# KiCad board AmigaPCI 68040.kicad_pcb (continued)
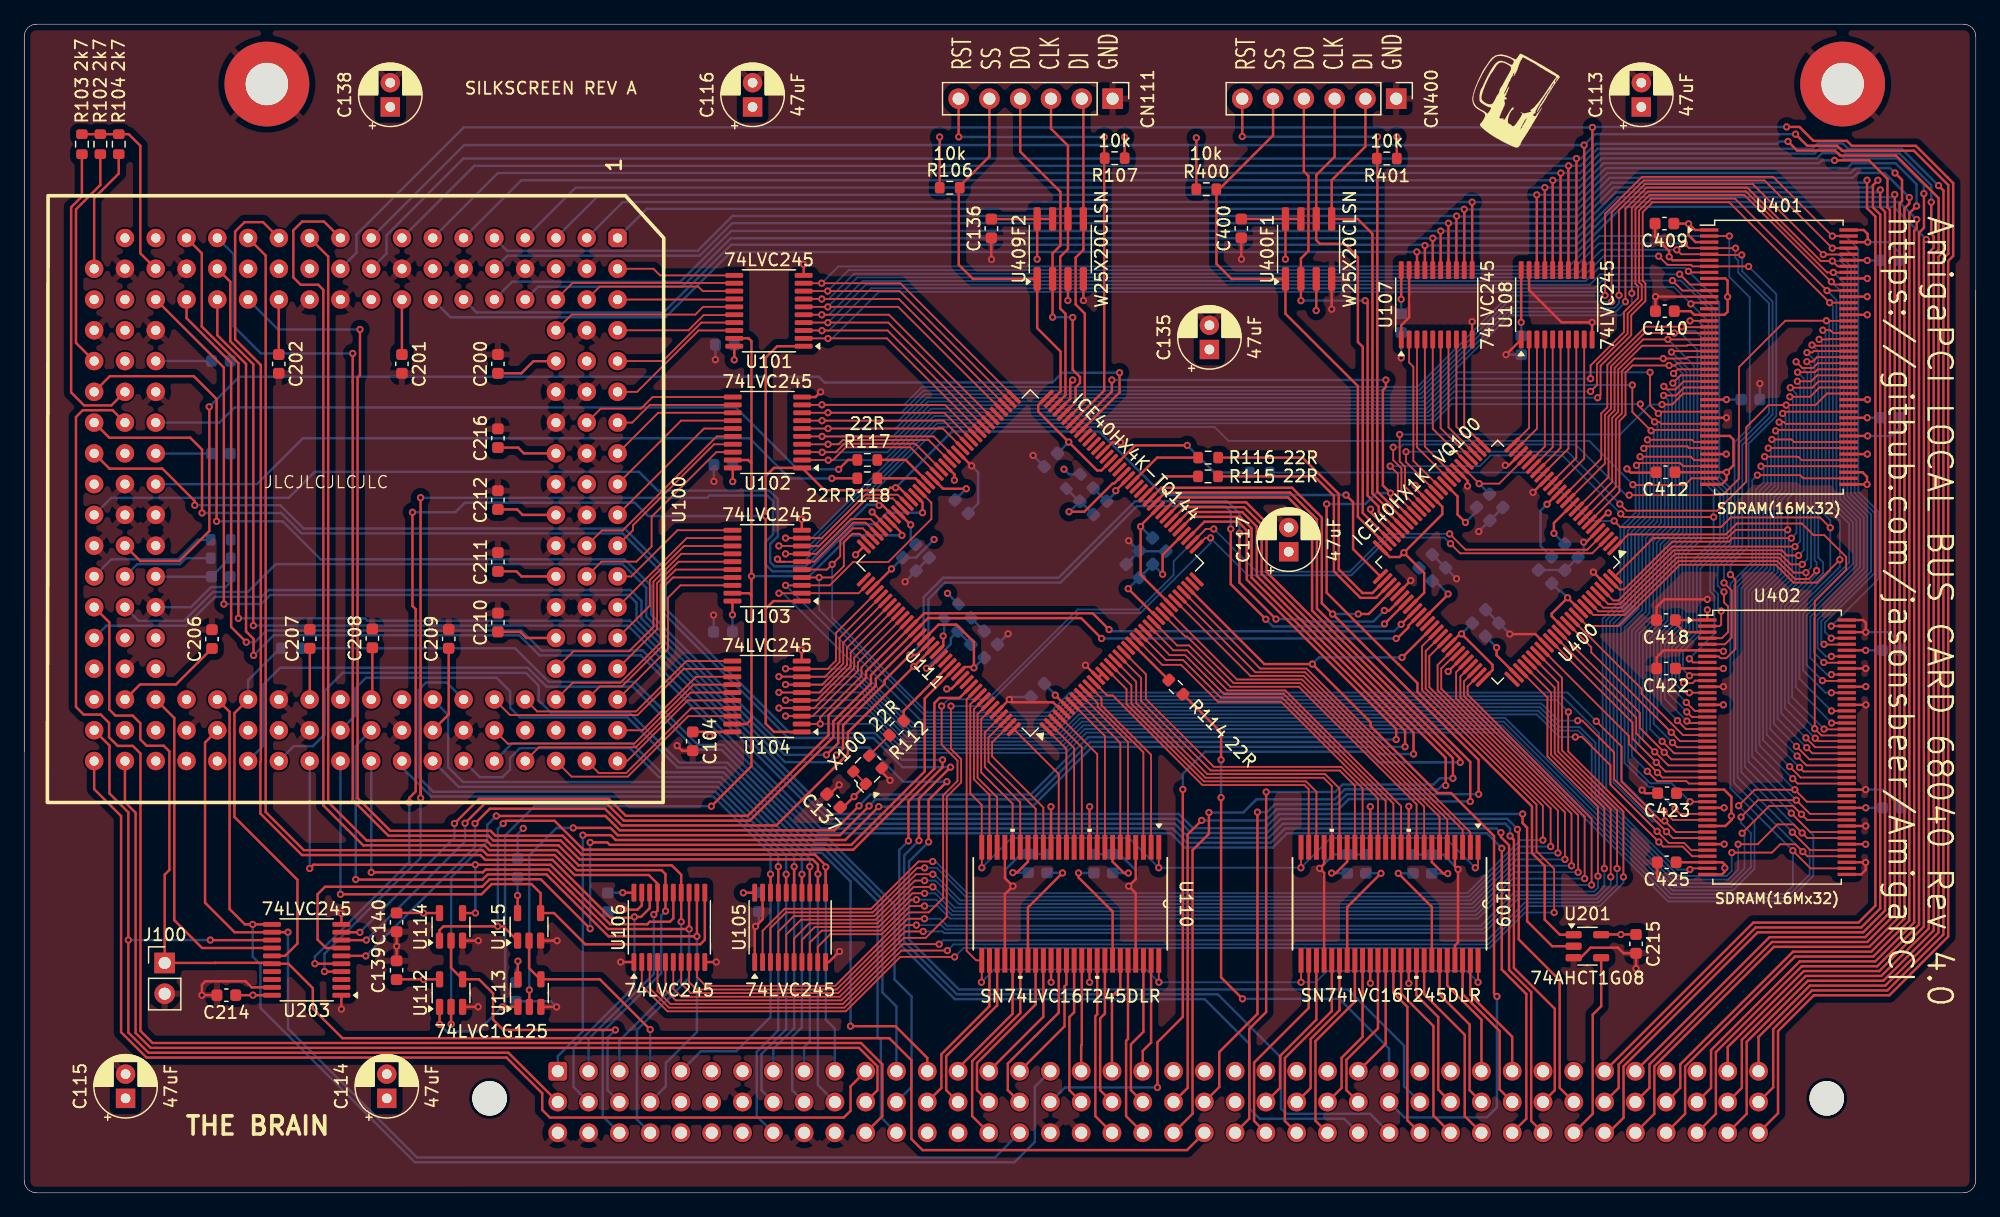
[diagram p0: board, top side]
## Footprints (pads in the part's own frame, mm; a bottom-side part is the same pattern mirrored in y, then rotated) (continued)
PinHeader_1x06_P2.54mm_Vertical
  rect 1.7x1.7 hole 1: 1(0,0)
  oval 1.7x1.7 hole 1: 2(0,-2.54) 3(0,-5.08) 4(0,-7.62) 5(0,-10.16) 6(0,-12.7)
R_0603_1608Metric
  rrect 0.8x0.95 smd: 1(-0.825,0) 2(0.825,0)
SOIC-8_3.9x4.9mm_P1.27mm
  rrect 1.95x0.6 smd: 1(-2.475,1.905) 2(-2.475,0.635) 3(-2.475,-0.635) 4(-2.475,-1.905) 5(2.475,-1.905) 6(2.475,-0.635) 7(2.475,0.635) 8(2.475,1.905)
SOT-23-5
  rrect 1.325x0.6 smd: 1(-1.137,0.95) 2(-1.137,0) 3(-1.137,-0.95) 4(1.137,-0.95) 5(1.137,0.95)
TSOP-II-86
  rect 1.51x0.27 smd: 1(-5.75,10.5) 2(-5.75,10) 3(-5.75,9.5) 4(-5.75,9) 5(-5.75,8.5) 6(-5.75,8) 7(-5.75,7.5) 8(-5.75,7) 9(-5.75,6.5) 10(-5.75,6) 11(-5.75,5.5) 12(-5.75,5) 13(-5.75,4.5) 14(-5.75,4) 15(-5.75,3.5) 16(-5.75,3) 17(-5.75,2.5) 18(-5.75,2) 19(-5.75,1.5) 20(-5.75,1) 21(-5.75,0.5) 22(-5.75,0) 23(-5.75,-0.5) 24(-5.75,-1) 25(-5.75,-1.5) 26(-5.75,-2) 27(-5.75,-2.5) 28(-5.75,-3) 29(-5.75,-3.5) 30(-5.75,-4) 31(-5.75,-4.5) 32(-5.75,-5) 33(-5.75,-5.5) 34(-5.75,-6) 35(-5.75,-6.5) 36(-5.75,-7) 37(-5.75,-7.5) 38(-5.75,-8) 39(-5.75,-8.5) 40(-5.75,-9) 41(-5.75,-9.5) 42(-5.75,-10) 43(-5.75,-10.5) 44(5.75,-10.5) 45(5.75,-10) 46(5.75,-9.5) 47(5.75,-9) 48(5.75,-8.5) 49(5.75,-8) 50(5.75,-7.5) 51(5.75,-7) 52(5.75,-6.5) 53(5.75,-6) 54(5.75,-5.5) 55(5.75,-5) 56(5.75,-4.5) 57(5.75,-4) 58(5.75,-3.5) 59(5.75,-3) 60(5.75,-2.5) 61(5.75,-2) 62(5.75,-1.5) 63(5.75,-1) 64(5.75,-0.5) 65(5.75,0) 66(5.75,0.5) 67(5.75,1) 68(5.75,1.5) 69(5.75,2) 70(5.75,2.5) 71(5.75,3) 72(5.75,3.5) 73(5.75,4) 74(5.75,4.5) 75(5.75,5) 76(5.75,5.5) 77(5.75,6) 78(5.75,6.5) 79(5.75,7) 80(5.75,7.5) 81(5.75,8) 82(5.75,8.5) 83(5.75,9) 84(5.75,9.5) 85(5.75,10) 86(5.75,10.5)
TSSOP-20_4.4x6.5mm_P0.65mm
  rrect 1.475x0.4 smd: 1(-2.862,2.925) 2(-2.862,2.275) 3(-2.862,1.625) 4(-2.862,0.975) 5(-2.862,0.325) 6(-2.862,-0.325) 7(-2.862,-0.975) 8(-2.862,-1.625) 9(-2.862,-2.275) 10(-2.862,-2.925) 11(2.862,-2.925) 12(2.862,-2.275) 13(2.862,-1.625) 14(2.862,-0.975) 15(2.862,-0.325) 16(2.862,0.325) 17(2.862,0.975) 18(2.862,1.625) 19(2.862,2.275) 20(2.862,2.925)

## Nets
+1V2: C117.1 C122.1 C123.1 C124.1 C125.1 C401.1 C402.1 C403.1 C404.1 CN100.a6 R108.2 R109.1 U111.27 U111.40 U111.92 U111.111 U400.11 U400.35 U400.61 U400.77
+3V3: C101.1 C102.1 C103.1 C104.1 C105.1 C106.1 C107.1 C108.1 C109.1 C110.1 C111.1 C112.1 C113.1 C114.1 C126.1 C127.1 C128.1 C129.1 C130.1 C135.1 C136.2 C137.1 C214.1 C400.2 C405.1 C406.1 C407.1 C408.1 C409.1 C410.1 C411.1 C412.1 C413.1 C414.1 C415.1 C416.1 C417.1 C418.1 C422.1 C423.1 C425.1 CN100.a21 CN100.a34 CN100.b5 CN100.b6 CN100.c13 CN100.c14 R106.1 R107.1 R400.1 R401.1 U101.20 U102.20 U103.20 U104.20 U105.20 U106.20 U107.20 U108.20 U109.7 U109.18 U110.7 U110.18 U111.6 U111.30 U111.46 U111.57 U111.72 U111.89 U111.100 U111.108 U111.123 U111.131 U203.20 U400.6 U400.14 U400.22 U400.31 U400.38 U400.50 U400.58 U400.67 U400.75 U400.88 U400.92 U400F1.3 U400F1.7 U400F1.8 U401.1 U401.3 U401.9 U401.15 U401.29 U401.35 U401.41 U401.43 U401.49 U401.55 U401.75 U401.81 U402.1 U402.3 U402.9 U402.15 U402.29 U402.35 U402.41 U402.43 U402.49 U402.55 U402.75 U402.81 U409F2.3 U409F2.7 U409F2.8 X100.1 X100.4
+5V: C115.1 C116.1 C118.1 C119.1 C120.1 C121.1 C138.1 C139.1 C140.1 C141.1 C142.1 C200.1 C201.1 C202.1 C203.1 C204.1 C205.1 C206.1 C207.1 C208.1 C209.1 C210.1 C211.1 C212.1 C215.1 C216.1 CN100.a7 CN100.a22 CN100.a25 CN100.a26 CN100.a33 CN100.c5 R100.1 R101.1 R102.1 R103.1 R104.1 U100.23 U100.27 U100.32 U100.38 U100.41 U100.44 U100.46 U100.48 U100.50 U100.53 U100.74 U100.77 U100.81 U100.82 U100.87 U100.88 U100.100 U100.104 U100.105 U100.107 U100.128 U100.131 U100.134 U100.138 U100.143 U100.152 U100.160 U109.31 U109.42 U110.31 U110.42 U112.5 U113.5 U114.5 U115.5 U201.5
GND: C101.2 C102.2 C103.2 C104.2 C105.2 C106.2 C107.2 C108.2 C109.2 C110.2 C111.2 C112.2 C113.2 C114.2 C115.2 C116.2 C117.2 C118.2 C119.2 C120.2 C121.2 C122.2 C123.2 C124.2 C125.2 C126.2 C127.2 C128.2 C129.2 C130.2 C135.2 C136.1 C137.2 C138.2 C139.2 C140.2 C141.2 C142.2 C200.2 C201.2 C202.2 C203.2 C204.2 C205.2 C206.2 C207.2 C208.2 C209.2 C210.2 C211.2 C212.2 C214.2 C215.2 C216.2 C400.1 C401.2 C402.2 C403.2 C404.2 C405.2 C406.2 C407.2 C408.2 C409.2 C410.2 C411.2 C412.2 C413.2 C414.2 C415.2 C416.2 C417.2 C418.2 C422.2 C423.2 C425.2 CN100.a23 CN100.a24 CN100.a29 CN100.a30 CN100.a37 CN100.a38 CN100.b7 CN100.c1 CN100.c2 CN100.c9 CN100.c10 CN100.c17 CN100.c18 CN111.1 CN400.1 H1.1 H2.1 J100.2 U100.20 U100.22 U100.24 U100.26 U100.28 U100.31 U100.33 U100.35 U100.42 U100.43 U100.45 U100.47 U100.49 U100.56 U100.59 U100.68 U100.71 U100.80 U100.83 U100.93 U100.94 U100.98 U100.99 U100.101 U100.106 U100.110 U100.113 U100.122 U100.125 U100.130 U100.132 U100.136 U100.137 U100.139 U100.146 U100.153 U100.154 U100.159 U100.161 U100.165 U100.172 U101.10 U102.10 U103.10 U104.10 U105.1 U105.10 U105.19 U106.1 U106.10 U106.19 U107.1 U107.10 U107.19 U108.1 U108.10 U108.19 U109.4 U109.10 U109.15 U109.21 U109.28 U109.34 U109.39 U109.45 U110.4 U110.10 U110.15 U110.21 U110.28 U110.34 U110.39 U110.45 U111.5 U111.13 U111.14 U111.59 U111.69 U111.86 U111.103 U111.132 U111.140 U112.3 U113.3 U114.3 U115.3 U201.3 U203.1 U203.10 U203.19 U400.5 U400.17 U400.23 U400.32 U400.39 U400.47 U400.55 U400.70 U400.84 U400.98 U400F1.4 U401.6 U401.12 U401.32 U401.38 U401.44 U401.46 U401.52 U401.58 U401.72 U401.78 U401.84 U401.86 U402.6 U402.12 U402.32 U402.38 U402.44 U402.46 U402.52 U402.58 U402.72 U402.78 U402.84 U402.86 U409F2.4 X100.2
/Card Connector/CLK40: R112.1 U111.129
/Card Connector/U409_CRESET: CN111.6 R107.2 U111.66
/Card Connector/U409_SCK: CN111.3 U111.70 U409F2.6
/Card Connector/U409_SDI: CN111.2 U111.67 U409F2.5
/Card Connector/U409_SDO: CN111.4 U111.68 U409F2.2
/Card Connector/U409_SS: CN111.5 R106.2 U111.71 U409F2.1
/CPU/_CDIS: R102.2 U100.166
/CPU/_MDIS: R103.2 U100.150
/CPU/SC0: R100.2 U100.173
/CPU/SC1: R101.2 U100.156
/CPU/TDO: R104.2 U100.163
/Fast Memory/U109_CRESET: CN400.6 R401.2 U400.44
/Fast Memory/U109_SCK: CN400.3 U400.48 U400F1.6
/Fast Memory/U109_SDI: CN400.2 U400.45 U400F1.5
/Fast Memory/U109_SDO: CN400.4 U400.46 U400F1.2
/Fast Memory/U109_SS: CN400.5 R400.2 U400.49 U400F1.1
_BB: CN100.b1 U100.178 U203.13
_BB-3V: U111.130 U203.7
_BG: CN100.c22 J100.1 U100.174 U203.16
_BG-3V: U111.96 U203.4
_BR: CN100.a11 U100.179
_BUFEN: U109.25 U109.48 U110.25 U110.48 U111.135
_CPUBG: U101.19 U102.19 U103.19 U104.19 U111.102 U112.1 U113.1
_CPUCONF: CN100.c7
_CPURST: CN100.c11 U100.151
_DMA: U111.134 U114.1 U115.1
_EM0CS: U400.9 U401.20
_EM1CS: U400.90 U402.20
_EMCAS: U400.12 U401.18 U402.18
_EMRAS: U400.10 U401.19 U402.19
_EMWE: U400.13 U401.17 U402.17
_INT2: CN100.c6
_INT6: CN100.b23
_IPL0: CN100.c27 U100.169
_IPL1: CN100.c28 U100.168
_IPL2: CN100.b29 U100.167
_LBEN: CN100.b22 U111.48 U400.54
_LLBE: U400.42 U401.16 U402.16
_LMBE: U400.41 U401.71 U402.71
_LOCK: CN100.b11 U100.162
_RESET: CN100.b28 U111.34 U400.63
_RSTO: U100.129 U201.2
_RSTOUT: CN100.c34 U201.4
_TA-CPU: U100.175 U111.124 U400.56
_TACK: CN100.b21 U111.47
_TBI: U111.55
_TBI-CPU: U100.155 U111.64
_TCI: CN100.c23 U111.44
_TCI-CPU: U100.171 U111.101
_TEA: CN100.c21 U111.43
_TEA-CPU: U100.157 U111.122
_TS: CN100.b17 U111.45
_TS-3V: U111.125 U203.6 U400.57
_TS-CPU: U100.142 U203.14
_UMBE: U400.40 U401.28 U402.28
_UUBE: U400.37 U401.59 U402.59
A0: U100.102 U106.15 U114.4
A0_OUT: U111.39 U112.2
A1: U100.96 U106.11 U115.4
A1_OUT: U111.41 U113.2
A2: CN100.b4 U100.89 U106.12
A3: CN100.c4 U100.90 U106.13
A4: CN100.a5 U100.84 U105.18
A5: CN100.b8 U100.78 U105.16
A6: CN100.a8 U100.76 U105.15
A7: CN100.b9 U100.72 U105.14
A8: CN100.a9 U100.66 U105.13
A9: CN100.c8 U100.70 U105.17
A10: CN100.b10 U100.115 U105.12
A11: CN100.a10 U100.111 U105.11
A12: CN100.a2 U100.109 U106.17
A13: CN100.b2 U100.103 U106.18
A14: CN100.a3 U100.97 U106.14
A15: CN100.c3 U100.91 U106.16
A16: CN100.c40 U100.92 U108.11
A17: CN100.b40 U100.85 U108.12
A18: CN100.a40 U100.79 U108.14
A19: CN100.c39 U100.86 U108.13
A20: CN100.b39 U100.73 U108.15
A21: CN100.c38 U100.67 U108.16
A22: CN100.a35 U100.61 U107.13
A23: CN100.a39 U100.75 U107.18
A24: CN100.a36 U100.55 U108.17
A25: CN100.b38 U100.69 U107.17
A26: CN100.b35 U100.62 U107.14
A27: CN100.c37 U100.37 U108.18
A28: CN100.c35 U100.63 U107.15
A29: CN100.c36 U100.19 U107.11
A30: CN100.b36 U100.57 U107.16
A31: CN100.b37 U100.1 U107.12
AA0: CN100.b3 U112.4 U114.2
AA1: CN100.a4 U113.4 U115.2
BANK0: U400.8 U401.22 U402.22
BANK1: U400.7 U401.23 U402.23
BCLKA: R117.2 U100.133
BCLKB: R115.2 U400.53
BCLKC: CN100.a28 R114.2
BUFDIR: U109.1 U109.24 U110.1 U110.24 U111.136
CDONE: U111.65 U201.1 U400.43
D0: U100.39 U101.12
D1: U100.21 U101.13
D2: U100.40 U101.15
D3: U100.2 U101.11
D4: U100.3 U101.14
D5: U100.4 U101.16
D6: U100.5 U101.17
D7: U100.6 U101.18
D8: U100.25 U102.11
D9: U100.7 U102.12
D10: U100.8 U102.13
D11: U100.9 U102.14
D12: U100.10 U102.15
D13: U100.11 U102.17
D14: U100.12 U103.11
D15: U100.13 U103.12
D16: U100.29 U102.16
D17: U100.14 U103.13
D18: U100.30 U102.18
D19: U100.15 U103.15
D20: U100.16 U103.18
D21: U100.17 U104.13
D22: U100.34 U103.17
D23: U100.51 U103.14
D24: U100.18 U104.16
D25: U100.52 U103.16
D26: U100.36 U104.17
D27: U100.58 U104.11
D28: U100.54 U104.18
D29: U100.64 U104.12
D30: U100.65 U104.14
D31: U100.60 U104.15
DA0: CN100.a32 U109.47
DA1: CN100.c31 U109.41
DA2: CN100.a31 U109.44
DA3: CN100.b32 U109.46
DA4: CN100.b31 U109.43
DA5: CN100.c30 U109.38
DA6: CN100.b30 U109.40
DA7: CN100.c29 U109.37
DA8: CN100.a27 U109.36
DA9: CN100.b27 U109.35
DA10: CN100.c26 U109.32
DA11: CN100.b26 U109.33
DA12: CN100.c25 U109.29
DA13: CN100.c24 U109.26
DA14: CN100.c20 U110.44
DA15: CN100.b20 U110.46
DA16: CN100.b25 U109.30
DA17: CN100.a20 U110.47
DA18: CN100.b24 U109.27
DA19: CN100.b19 U110.41
DA20: CN100.a18 U110.38
DA21: CN100.c15 U110.30
DA22: CN100.b18 U110.37
DA23: CN100.c19 U110.40
DA24: CN100.b14 U110.27
DA25: CN100.a19 U110.43
DA26: CN100.a14 U110.29
DA27: CN100.b16 U110.35
DA28: CN100.b13 U110.26
DA29: CN100.a16 U110.36
DA30: CN100.b15 U110.32
DA31: CN100.a15 U110.33
EMA0: U400.86 U401.25 U402.25
EMA1: U400.85 U401.26 U402.26
EMA2: U400.83 U401.27 U402.27
EMA3: U400.100 U401.60 U402.60
EMA4: U400.99 U401.61 U402.61
EMA5: U400.97 U401.62 U402.62
EMA6: U400.96 U401.63 U402.63
EMA7: U400.95 U401.64 U402.64
EMA8: U400.94 U401.65 U402.65
EMA9: U400.93 U401.66 U402.66
EMA10: U400.87 U401.24 U402.24
EMA11: U400.89 U401.21 U402.21
EMA12: U400.91 U401.69 U402.69
EMCLKE: U400.1 U401.67 U402.67
LVA0: U106.5 U111.37 U400.3
LVA1: U106.9 U111.38 U400.4
LVA2: U106.8 U400.78
LVA3: U106.7 U400.79
LVA4: U105.2 U400.65
LVA5: U105.4 U400.68
LVA6: U105.5 U400.69
LVA7: U105.6 U400.71
LVA8: U105.7 U400.72
LVA9: U105.3 U400.66
LVA10: U105.8 U400.73
LVA11: U105.9 U400.74
LVA12: U106.3 U400.82
LVA13: U106.2 U400.64
LVA14: U106.6 U400.80
LVA15: U106.4 U400.81
LVA16: U108.9 U400.15
LVA17: U108.8 U400.16
LVA18: U108.6 U400.19
LVA19: U108.7 U400.18
LVA20: U108.5 U400.20
LVA21: U108.4 U400.21
LVA22: U107.7 U400.28
LVA23: U107.2 U400.36
LVA24: U108.3 U400.24
LVA25: U107.3 U400.34
LVA26: U107.6 U400.29
LVA27: U108.2 U400.25
LVA28: U107.5 U400.30
LVA29: U107.9 U400.26
LVA30: U107.4 U400.33
LVA31: U107.8 U400.27
LVDA0: U101.8 U111.74 U401.4 U402.4
LVDA1: U101.7 U111.75 U401.5 U402.5
LVDA2: U101.5 U111.78 U401.8 U402.8
LVDA3: U101.9 U111.73 U401.2 U402.2
LVDA4: U101.6 U111.76 U401.7 U402.7
LVDA5: U101.4 U111.79 U401.10 U402.10
LVDA6: U101.3 U111.80 U401.11 U402.11
LVDA7: U101.2 U111.81 U401.13 U402.13
LVDA8: U102.9 U111.82 U401.85 U402.85
LVDA9: U102.8 U111.83 U401.83 U402.83
LVDA10: U102.7 U111.84 U401.82 U402.82
LVDA11: U102.6 U111.85 U401.80 U402.80
LVDA12: U102.5 U111.87 U401.79 U402.79
LVDA13: U102.3 U111.90 U401.77 U402.77
LVDA14: U103.9 U111.98 U401.76 U402.76
LVDA15: U103.8 U111.99 U401.74 U402.74
LVDA16: U102.4 U111.88 U401.31 U402.31
LVDA17: U103.7 U111.104 U401.33 U402.33
LVDA18: U102.2 U111.91 U401.34 U402.34
LVDA19: U103.5 U111.106 U401.36 U402.36
LVDA20: U103.2 U111.110 U401.37 U402.37
LVDA21: U104.7 U111.114 U401.39 U402.39
LVDA22: U103.3 U111.95 U401.40 U402.40
LVDA23: U103.6 U111.105 U401.42 U402.42
LVDA24: U104.4 U111.117 U401.45 U402.45
LVDA25: U103.4 U111.107 U401.47 U402.47
LVDA26: U104.3 U111.118 U401.48 U402.48
LVDA27: U104.9 U111.112 U401.50 U402.50
LVDA28: U104.2 U111.119 U401.51 U402.51
LVDA29: U104.8 U111.113 U401.53 U402.53
LVDA30: U104.6 U111.115 U401.54 U402.54
LVDA31: U104.5 U111.116 U401.56 U402.56
LVDB0: U109.2 U111.33
LVDB1: U109.8 U111.28
LVDB2: U109.5 U111.31
LVDB3: U109.3 U111.32
LVDB4: U109.6 U111.29
LVDB5: U109.11 U111.25
LVDB6: U109.9 U111.26
LVDB7: U109.12 U111.24
LVDB8: U109.13 U111.23
LVDB9: U109.14 U111.22
LVDB10: U109.17 U111.18
LVDB11: U109.16 U111.19
LVDB12: U109.20 U111.16
LVDB13: U109.23 U111.12
LVDB14: U110.5 U111.9
LVDB15: U110.3 U111.10
LVDB16: U109.19 U111.17
LVDB17: U110.2 U111.11
LVDB18: U109.22 U111.15
LVDB19: U110.8 U111.7
LVDB20: U110.11 U111.3
LVDB21: U110.19 U111.141
LVDB22: U110.12 U111.2
LVDB23: U110.9 U111.4
LVDB24: U110.22 U111.138
LVDB25: U110.6 U111.8
LVDB26: U110.20 U111.139
LVDB27: U110.14 U111.144
LVDB28: U110.23 U111.137
LVDB29: U110.13 U111.1
LVDB30: U110.17 U111.142
LVDB31: U110.16 U111.143
PCLK: R118.2 U100.135
PORTSIZE: CN100.a1 U111.42
R_W: R111.2 U100.112 U203.15
R_W-3V: U101.1 U102.1 U103.1 U104.1 U111.97 U203.5 U400.51
RAMCLKA: R113.2 U401.68 U402.68
RAMCLKB: R116.2 U400.52
SIZ0: CN100.c16 U100.119 U203.12
SIZ0-3V: U111.121 U203.8 U400.60
SIZ1: CN100.a17 U100.118 U203.11
SIZ1-3V: U111.120 U203.9 U400.59
TM0: CN100.a12 U100.114
TM1: CN100.c12 U100.108
TM2: CN100.a13 U100.95
TT0: CN100.c32 U100.117
TT1: CN100.b33 U100.116
UPA0: CN100.c33 U100.123
UPA1: CN100.b34 U100.121
Net-(CN100-Pin_b12): CN100.b12 R111.1
Net-(U111-GNDPLL0): C133.2 C134.2 U111.53
Net-(U111-GNDPLL1): C131.2 C132.2 U111.127
Net-(U111-IO1_140_GBIN3): R117.1 U111.93
Net-(U111-IO1_141_GBIN2): R118.1 U111.94
Net-(U111-IO2_81_GBIN5): R115.1 U111.49
Net-(U111-IO2_82_GBIN4): R116.1 U111.52
Net-(U111-IO2_94): R113.1 U111.56
Net-(U111-IO3_14A_GBIN6): R114.1 U111.21
Net-(U111-VCCPLL0): C133.1 C134.1 R109.2 U111.54
Net-(U111-VCCPLL1): C131.1 C132.1 R108.1 U111.126
Net-(X100-OUT): R112.2 X100.3

Pads without a net: U100 120 124 126 127 140 141 144 145 147 148 149 158 164 170 176 177; U111 20 35 36 50 51 58 60 61 62 63 77 109 128 133; U203 2 3 17 18; U400 2 62 76; U401 14 30 57 70 73; U402 14 30 57 70 73

## Via types
v1: diameter 0.6, hole 0.3, Top to Bottom, 562 vias

## Routing (per net, layer and track width the routed paths; a pad name or vN(x,y) marks a point on that pad's centre or on a via; arc(x,y) is an arc through that point)
+1V2: length 124.6
  Top w0.2: U400.77 121.47,44.37 v1(121.47,45.01) ; v1(91.08,49.87) 93.49,47.46 ; v1(77.72,58.12) 75.81,58.12 U111.92 ; 115.42,47.35 117.47,49.39 v1(117.47,49.43) ; U111.40 93.92,52.66 v1(93.92,51.06) ; U400.35 118.25,57.49 118.25,55.99 v1(118.9,55.34) ; v1(71.55,51.5) U111.111 ; 127.69,56.78 126.2,55.29 v1(126.2,54.44)
  In2.Cu w1.5: 104.34,51.46 104.32,51.48 C117.1 ; 104.34,51.46 109.83,51.43 111.58,51.43 114.02,48.99 120.05,48.99 ; 104.34,51.46 97.4,51.5 91.81,51.5 91.79,51.52 ; 83.06,41.8 83.06,35.79 78.76,31.49 72.91,31.49 71.26,29.84 71.26,21.49 66.37,16.59 59.2,16.59 56.72,14.11 CN100.a6
  Bottom w0.2: R109.1 86.2,59.31 v1(85.78,59.73) ; 116.4,50.5 v1(117.47,49.43) ; 120.55,45.93 v1(121.47,45.01) ; 76.79,57.19 v1(77.72,58.12) ; v1(75.06,53.93) 73.56,52.44 C123.1 ; 72.48,52.44 v1(71.55,51.5) ; 119.82,56.26 v1(118.9,55.34) ; v1(93.92,51.06) C124.1 ; 93.09,51.88 C125.1 ; 127.08,53.56 v1(126.2,54.44) ; 91.99,50.79 v1(91.08,49.87) ; 77.06,48.6 v1(76.17,49.49)
+3V3: length 242
  Top w0.15: U400.22 121.67,58.54 v1(120.03,58.54) U400.31 ; X100.4 X100.1
  Top w0.2: v1(58.45,58.71) 58.45,58.72 58.45,59.84 ; 86.11,40.03 v1(85.06,41.08) ; R106.1 75.53,87.15 v1(75.52,87.16) ; U401.3 137.88,78.48 137.31,79.05 v1(137.31,79.99) ; U400.92 v1(127.33,49.12) 126.02,47.81 126.02,47.6 U400.88 ; v1(140.18,43.28) U402.9 C422.1 ; v1(152.05,76.97) 152.04,76.98 U401.81 ; R400.1 v1(96.7,87.09) ; v1(107.86,26.39) 108.2,26.39 109.14,27.33 U109.18 ; U104.20 56.91,38.05 v1(56.57,37.7) 56.22,38.05 C104.1 ; v1(130.68,56.12) 130.57,56.12 U400.6 ; v1(86.1,73.66) 86.11,73.67 U409F2.3 ; U111.131 77.59,43.41 78.27,43.41 v1(78.35,43.33) 78.35,45.46 76.91,46.9 75.43,46.9 U111.123 ; U402.55 v1(151.93,31.78) ; U401.1 137.84,79.48 137.33,79.99 v1(137.31,79.99) ; U400.75 121.14,43.16 121.14,43.58 v1(118.58,46.14) 118.47,46.14 U400.67 ; C412.1 U401.41 v1(140.44,59.48) ; U401.49 v1(152.06,60.98) ; U101.20 v1(58.58,68.76) ; U203.20 18.87,16.31 v1(18.87,16.31) C214.1 ; v1(90.78,87.15) 90.79,87.14 R107.1 ; v1(113.82,52.84) 115.5,51.16 115.5,49.54 U400.58 ; v1(113.82,52.84) 116.99,56.01 116.99,56.63 U400.38 ; v1(113.82,52.84) 113.46,52.49 112.65,52.49 U400.50 ; v1(117.44,26.35) 117.08,26.35 116.13,27.3 U109.7 ; v1(113.6,73.76) 113.6,73.77 U107.20 ; U402.3 136.97,46.28 136.22,47.03 ; U400F1.8 100.41,80.39 ; U400F1.8 U400F1.7 ; U400F1.8 104.05,77.08 v1(104.05,77.07) ; v1(59.33,24.76) 59.34,24.77 U105.20 ; U402.49 151.91,28.78 v1(151.92,28.77) ; U400F1.3 106.59,72.84 v1(106.59,72.83) ; U401.9 140.35,75.48 140.53,75.3 v1(140.53,73.96) 140.53,72.73 140.28,72.48 U401.15 137.78,72.48 137.48,72.78 C410.1 ; 69.26,53.35 v1(68.59,52.67) ; U401.29 v1(140.44,65.48) ; v1(137.31,79.99) 137.31,80.01 C409.1 ; v1(91.09,26.39) 90.73,26.39 89.79,27.33 U110.7 ; C418.1 U402.1 v1(138.86,48.12) ; U402.35 140.35,30.28 140.84,30.77 v1(140.84,31.1) 140.84,32.68 140.24,33.28 U402.29 136.28,33.28 ; C425.1 U402.41 140.1,27.28 140.3,27.08 v1(140.3,26.81) 140.3,26.51 140.07,26.28 U402.43 ; v1(140.44,59.48) 140.44,58.88 140.04,58.48 U401.43 ; v1(140.44,59.48) 141.01,60.06 141.01,62.18 140.71,62.48 U401.35 ; U111.72 83.65,65.02 83.65,64.5 v1(86.17,61.98) 88.52,59.63 88.87,59.63 U111.57 ; U110.18 82.81,27.33 81.9,26.43 v1(81.56,26.43) ; U106.20 v1(49.38,24.77) ; R401.1 v1(113.24,87.17) ; U409F2.7 U409F2.8 v1(83.57,77.07) ; U401.55 v1(152.05,63.98) ; 72.1,56.17 v1(73.13,55.14) ; v1(76.74,58.83) 76.74,59.31 U111.89 ; v1(58.43,47.71) U103.20 ; U402.75 151.92,41.78 v1(151.93,41.79) ; U402.81 v1(151.92,44.78) ; U401.75 v1(152.05,73.98) ; U111.30 92.1,51.02 v1(92.1,55) 92.1,55.09 U111.46 ; 67.41,31.66 68.45,32.7 v1(68.46,32.7) 68.46,32.71 69.43,33.68 ; 126.63,57.84 v1(125.63,56.84) ; C136.2 83.56,80.38 ; U108.20 v1(123.5,71.86) ; U402.15 v1(140.18,40.28)
  Bottom w0.2: 93.04,54.06 v1(92.1,55) ; C109.1 81.57,26.42 v1(81.56,26.43) ; C108.1 123.51,71.85 v1(123.5,71.86) ; v1(152.05,63.98) C408.1 ; C406.1 126.68,49.65 126.8,49.65 v1(127.33,49.12) ; 58.45,60.12 58.45,58.71 ; 58.43,46.16 v1(58.43,47.71) ; 79.19,44.17 v1(78.35,43.33) ; v1(151.92,44.78) C413.1 ; 58.45,58.71 v1(58.45,58.71) ; C101.1 58.58,68.77 ; v1(59.33,24.76) 59.34,24.78 C105.1 ; 85.24,61.04 v1(86.17,61.98) ; v1(152.05,76.97) 153.14,76.97 ; v1(125.63,56.84) 125.1,56.31 125.1,53.4 C415.1 ; v1(49.38,24.77) 48.16,24.77 ; 115.07,51.59 v1(113.82,52.84) ; v1(151.93,31.78) C417.1 ; C411.1 v1(140.44,65.48) ; v1(117.44,26.35) 117.42,26.37 C111.1 ; 120.89,57.68 v1(120.03,58.54) ; v1(91.09,26.39) 91.08,26.4 C110.1 ; C126.1 73.13,53.95 v1(73.13,55.14) ; C112.1 107.87,26.38 v1(107.86,26.39) ; C107.1 v1(113.6,73.76) ; 119.46,47.02 v1(118.58,46.14) ; C129.1 85.06,41.13 v1(85.06,41.08)
+5V: length 145.6
  Top w0.2: 39.64,67.65 41.01,67.65 42.01,68.65 43.86,68.65 ; v1(85.66,26.4) 82.81,23.55 U110.31 ; U110.42 89.79,23.22 86.98,26.03 v1(86.98,26.4) ; v1(113.36,26.37) 116.13,23.6 U109.42 ; 31.16,73.73 C201.1 ; 130.12,21.32 v1(131.72,21.32) C215.1 ; 39.27,56.41 40.67,56.41 41.12,55.96 U100.46 ; U100.44 41.22,61.04 40.74,61.52 39.28,61.52 ; U112.5 v1(32.95,17.62) 30.72,17.62 ; U109.31 109.14,23.59 v1(111.93,26.37) ; C202.1 21,73.73 ; R103.1 R104.1 8.62,87.39 9.58,86.43 9.58,77.55 U100.128 ; U115.5 v1(40.7,24.54) ; U100.48 41.03,50.88 40.61,51.3 39.25,51.3 ; C207.1 23.56,40.73 ; 39.23,46.3 40.93,46.3 41.43,45.8 U100.50 ; U100.77 35.02,39.49 C209.1 ; C206.1 12.51,41.96 9.55,41.96 U100.160 ; C208.1 28.72,40.81 ; U114.5 32.94,23.09 v1(32.94,23.09) 32.93,23.1 C140.1 ; v1(40.73,19.12) 40.72,19.12 U113.5
  Bottom w0.2: v1(111.93,26.37) 111.92,26.38 C121.1 ; v1(40.73,19.12) 40.73,18.57 40.56,18.4 C142.1 ; C120.1 v1(113.36,26.37) ; R101.1 17.04,53.91 ; v1(85.66,26.4) 85.65,26.41 C118.1 ; C204.1 10.87,61.02 ; C203.1 10.86,68.67 ; 16.98,52.39 C205.1 10.87,50.86 ; C119.1 v1(86.98,26.4) ; v1(40.7,24.54) 40.7,26.04
GND: length 323.6
  Top w0.2: U106.19 50.95,23.72 50.6,23.37 v1(49.44,23.37) ; v1(133.47,33.24) 133.73,32.98 C423.2 ; 125.55,58.9 v1(124.47,57.82) ; C139.2 30.72,20.34 v1(30.73,20.35) 30.73,21.54 ; U105.1 60.26,21.92 v1(60.34,21.99) 60.91,22.57 U105.19 ; U402.78 v1(151.93,43.28) ; C422.2 134.68,44.21 135.25,44.78 U402.6 140.1,44.78 v1(140.18,44.71) ; U402.84 v1(151.93,46.28) 151.93,47.06 151.71,47.28 U402.86 ; C214.2 v1(14.66,16.31) 14.66,17.17 14.95,17.46 18.25,17.46 18.76,16.96 U203.19 ; 119.45,70.44 119.45,71.92 v1(119.45,71.92) ; 66.31,32.76 v1(67.23,33.67) ; U402.38 v1(140.25,28.78) ; v1(128.66,53.71) 128.86,53.71 U400.5 ; U401.46 151.66,59.48 152.03,59.11 v1(152.03,58.48) U401.44 ; C409.2 134.54,78.91 135.71,77.74 v1(135.71,77.27) 136,76.98 U401.6 ; U400.70 v1(117.48,43.03) ; U400.23 122.49,60.06 v1(122.19,60.06) ; U402.52 v1(151.93,30.28) ; U108.10 v1(129.35,71.86) 126.82,71.86 124.15,74.53 U108.19 ; U112.3 37.44,15.35 v1(37.45,15.35) ; U400.98 v1(129.45,51.24) ; v1(119.07,58.34) 119.07,58.8 U400.32 ; U111.69 86.3,65.55 86.3,66.9 v1(86.5,67.1) ; v1(57.09,19.05) 57.08,19.05 U106.10 ; U109.28 107.24,26.41 v1(106.87,26.78) 107.24,27.15 U109.21 ; v1(87.55,43.55) U111.13 U111.14 ; 77.05,61.12 v1(78.16,60.01) ; v1(43.92,15.34) 43.91,15.35 U113.3 ; U107.19 114.25,72.27 113.6,71.62 U107.1 ; U402.46 151.91,27.28 v1(151.92,27.27) 151.92,26.65 151.55,26.28 U402.44 ; C136.1 79.79,77.06 v1(79.8,77.05) ; v1(132.23,59.76) 132.53,59.46 134.6,59.46 ; U203.10 26.16,23.06 v1(26.17,23.06) ; U201.3 128.41,19.41 129.23,20.23 131.48,20.23 131.94,19.77 C215.2 v1(132.97,18.51) ; 113.31,49.46 v1(114.39,50.54) ; U401.52 v1(152.08,62.48) ; 134.58,72.46 v1(134.58,73.98) U401.12 ; v1(111.06,17.3) 111.05,17.31 U109.34 ; 70.74,34.74 v1(71.43,34.05) ; U109.45 118.03,20.41 118.29,20.67 v1(118.29,26.7) 118.03,26.96 U109.4 ; U400.84 124.67,46.12 v1(122.56,46.12) ; U402.12 v1(140.18,41.78) ; U401.38 v1(140.41,60.98) ; U401.72 v1(152.05,72.48) ; C425.2 134.73,25.99 ; U105.10 66.38,19.05 v1(67.26,19.92) ; v1(53.86,36.91) 54.27,36.5 C104.2 ; U111.132 76.49,41.59 v1(76.11,41.59) ; U114.3 37.46,20.82 v1(37.46,20.81) ; U401.32 v1(140.43,63.98) ; C400.1 100.41,77.08 v1(100.42,77.07) ; U409F2.4 v1(87.38,73.66) ; U402.32 v1(140.24,31.78) ; U110.21 80.9,25.98 v1(81.57,25.32) 80.9,24.65 U110.28 ; 123.5,70.44 v1(122.25,69.19) ; U106.1 49.21,19.05 v1(49.21,19.05) ; U109.39 114.22,17.3 v1(114.23,17.29) ; U401.78 v1(152.05,75.48) ; v1(114.23,31.9) 114.22,31.9 U109.10 ; U203.1 26.16,15.17 v1(26.17,15.16) ; v1(84.72,17.38) 84.71,17.39 U110.34 ; U400.39 114.75,58.17 v1(114.75,58.4) ; U401.86 151.76,79.48 152.09,79.15 v1(152.09,78.48) U401.84 ; U104.10 64.14,44.81 v1(64.15,44.81) ; U102.10 65.28,65.69 v1(65.7,66.11) ; U400.47 111.07,56.19 v1(111.07,56.43) ; v1(138.86,48.99) 135.31,48.99 134.67,48.35 C418.2 ; U110.45 91.7,24.74 v1(91.12,25.32) 91.7,25.89 U110.4 ; U402.72 v1(151.94,40.28) ; U115.3 43.62,20.82 v1(43.96,20.81) ; v1(107.87,72.94) 107.86,72.95 U400F1.4 ; U109.15 v1(111.05,31.87) ; U101.10 64.3,76.65 v1(64.3,76.65) ; U110.10 87.89,31.86 v1(87.9,31.87) ; U110.15 84.71,31.86 v1(84.7,31.87) ; U401.58 v1(152.07,65.48) ; v1(87.89,17.38) 87.89,17.39 U110.39 ; U402.58 v1(151.92,33.28) ; U103.10 64.15,55.61 v1(64.15,55.61) ; v1(90.45,61.94) 89.76,61.94 U111.59 ; 80.23,39.69 v1(81.27,40.72) 81.5,40.49 84.88,40.49 85.69,39.68 ; 71.04,55.11 v1(69.95,56.2)
  Bottom w0.2: C141.2 40.71,29.62 v1(41.17,30.08) ; 56.9,60.12 56.9,58.72 ; 57.03,68.77 C101.2 ; C407.2 154.7,77.61 153.83,78.48 v1(152.09,78.48) ; 123.51,69.19 v1(122.25,69.19) ; C408.2 154.73,63.17 154.04,62.48 v1(152.08,62.48) ; 56.9,58.72 v1(56.9,58.72) ; 127.12,51.4 C403.2 128.66,52.93 v1(128.66,53.71) ; C121.2 C112.2 108.02,27.93 v1(106.87,26.78) ; v1(81.57,25.32) 80.96,25.93 80.96,26.68 82.25,27.97 C109.2 ; 92,52.97 C125.2 ; 114.58,27.92 C111.2 117.07,27.92 v1(118.29,26.7) ; C130.2 83.8,60.29 ; v1(91.12,25.32) 91.72,25.92 91.72,26.61 90.38,27.95 C110.2 C119.2 ; C107.2 v1(113.6,68.92) ; 56.88,46.16 56.88,47.68 v1(56.87,47.69) ; v1(78.16,60.01) 78.7,59.47 78.7,56.91 C122.2 ; 84.14,59.96 v1(83.23,60.87) ; U100.139 13.75,48.34 15.41,50 16.61,50 17,50.39 C205.2 ; v1(122.56,46.12) 122.56,46.13 C414.2 ; C411.2 143.18,66.8 v1(143.19,66.8) ; C127.2 v1(81.17,46.14) ; 73.57,51.34 v1(72.67,50.44) ; C417.2 153.36,33.28 v1(151.92,33.28) ; C106.2 49.27,23.21 v1(49.44,23.37) ; C142.2 43.45,15.81 v1(43.92,15.34) ; v1(120,54.59) 120,54.59 C405.2 ; v1(60.34,21.99) 60.6,22.25 C105.2 ; C406.2 127.09,51.41 ; C126.2 C123.2 ; v1(151.93,46.28) 153.85,46.28 154.85,45.28 C413.2 ; C128.2 92.02,52.96 ; C416.2 118.16,50.69 v1(118.17,50.69) ; 91.97,52.98 v1(91.12,53.83) ; C129.2 81.48,40.93 v1(81.27,40.72) ; 57.03,68.76 v1(57.02,68.77) ; C118.2 82.84,27.96
/Card Connector/CLK40: length 6.2
  Top w0.2: R112.1 72.55,39.78 U111.129
/Card Connector/U409_CRESET: length 39.8
  Top w0.2: CN111.6 77.09,87.18 v1(77.1,87.17) ; U111.66 89.1,66.22 v1(89.1,87.16)
  Bottom w0.2: v1(77.1,87.17) 77.11,87.16 v1(89.1,87.16)
/Card Connector/U409_SCK: length 26.7
  Top w0.2: CN111.3 84.71,87.84 86.11,86.44 U409F2.6 86.11,77.91 85.47,77.27 85.47,73 85.9,72.57 85.9,65.85 U111.70
/Card Connector/U409_SDI: length 27.4
  Top w0.2: U111.67 87.5,65.33 87.5,72.58 86.74,73.34 86.74,77.2 87.38,77.84 U409F2.5 87.38,90.19
/Card Connector/U409_SDO: length 30.1
  Top w0.2: U111.68 86.74,65.28 86.74,66.49 87.1,66.85 87.1,67.35 86.5,67.95 v1(86.5,72.26) ; CN111.4 82.17,85.95 85.49,82.63 85.49,78.2 84.84,77.55 U409F2.2 v1(84.84,72.28)
  Bottom w0.2: v1(84.84,72.28) 86.48,72.28 v1(86.5,72.26)
/Card Connector/U409_SS: length 32.9
  Top w0.2: U111.71 85.5,66.16 85.5,69.45 83.57,71.38 U409F2.1 78.27,75.44 77.1,76.61 77.1,83.02 79.63,85.55 CN111.5
/CPU/_CDIS: length 18.5
  Top w0.2: R102.2 6.28,83.2 4.27,81.19 4.27,70.16 U100.166
/CPU/_MDIS: length 25.4
  Top w0.2: U100.150 7.19,65 4.94,65 3.87,66.07 3.87,81.36 4.76,82.25 R103.2
/CPU/SC0: length 10.9
  Bottom w0.2: R100.2 14.3,53.91 12.68,52.29 7.18,52.29 U100.173
/CPU/SC1: length 7.7
  Bottom w0.2: R101.2 13.35,52.39 12.85,51.89 9.32,51.89 U100.156
/CPU/TDO: length 10.3
  Top w0.2: R104.2 7.8,84.14 5.77,82.11 U100.163
/Fast Memory/U109_CRESET: length 47.1
  Top w0.2: v1(100.49,87.2) CN400.6 ; U400.44 112.88,56.5 112.88,56.64 111.63,57.89 111.63,87.16 v1(111.65,87.18)
  Bottom w0.2: v1(111.65,87.18) 100.51,87.18 v1(100.49,87.2)
/Fast Memory/U109_SCK: length 40.7
  Top w0.2: CN400.3 108.11,85.53 106.59,84.02 U400F1.6 106.59,78.65 106.9,78.34 108.93,78.34 110.03,77.24 110.03,70.23 110.43,69.83 110.43,56.12 U400.48
/Fast Memory/U109_SDI: length 40.1
  Top w0.2: CN400.2 110.65,86.37 107.86,83.59 U400F1.5 110.01,80.39 111.23,79.17 111.23,57.73 112.26,56.69 112.26,56.41 U400.45
/Fast Memory/U109_SDO: length 42.5
  Top w0.2: U400F1.2 105.32,77.13 105.95,77.75 105.95,83.94 105.57,84.32 CN400.4 ; v1(105.33,73.65) 105.33,75.44 ; U400.46 111.75,56.22 111.75,56.64 110.83,57.56 110.83,73.45 v1(110.63,73.65)
  Bottom w0.2: v1(105.33,73.65) v1(110.63,73.65)
/Fast Memory/U109_SS: length 47
  Top w0.2: CN400.5 103.03,87.29 98.36,82.62 98.36,76.69 99.61,75.44 U400F1.1 104.05,72.57 110.03,66.59 110.03,55.81 U400.49
_BB: length 75.8
  Top w0.2: CN100.b1 39.95,11.56 10.25,11.56 8.59,13.23 v1(8.59,20.86) 8.59,31.41 7.03,32.97 7.03,36.92 U100.178 ; U203.13 15.35,20.86 v1(15.35,20.86)
  Bottom w0.2: v1(8.59,20.86) v1(15.35,20.86)
_BB-3V: length 77.4
  Top w0.2: U203.7 24.89,20.21 24.2,20.9 24.2,24.64 24.82,25.26 37.78,25.26 38.4,25.88 42.61,25.88 v1(46.69,21.8) ; U111.130 74.29,40.81 74.29,34.78 68.23,28.72 48.31,28.72 48.11,28.92 v1(46.69,28.92)
  Bottom w0.2: v1(46.69,21.8) 46.69,28.9
_BG: length 131.2
  Top w0.2: 20.36,18.98 15.75,18.98 15.74,18.97 J100.1 11.59,26.26 11.98,26.65 11.98,36.43 11.51,36.9 10.1,36.9 9.58,37.42 9.58,38.76 8.95,39.39 7.52,39.39 7.02,39.89 7.02,47.09 U100.174 ; CN100.c22 95.93,3.52 74.11,3.52 73.19,4.44 73.19,10.94 71.37,12.76 26.25,12.76 23.81,15.2 23.81,16.89 21.79,18.91 U203.16
_BG-3V: length 96.2
  Top w0.2: 26.16,18.26 24.77,18.26 v1(24.77,18.26) ; 32.7,33.6 32.7,33.6 v1(32.7,32.59) ; 32.7,33.6 32.7,32.91 ; 32.7,33.6 v1(32.7,57.38) ; v1(74.11,56.14) 74.11,56.99 U111.96
  Bottom w0.2: v1(32.7,57.38) 32.7,57.37 56.34,57.37 56.54,57.57 61.31,57.57 61.78,57.1 61.78,54.36 61.14,53.72 61.14,51.9 61.72,51.31 64.61,51.31 68.49,55.19 70.26,55.19 71.21,56.14 v1(74.11,56.14) ; v1(32.7,32.59) 32.7,27.65 24.77,19.72 v1(24.77,18.26)
_BR: length 91.2
  Top w0.2: U100.179 5.77,33.32 7.99,31.1 7.99,13.26 10.09,11.16 39.78,11.16 42.73,8.21 42.73,6.84 43.36,6.21 67.62,6.21 68.17,6.76 68.17,8.78 CN100.a11
_BUFEN: length 73.2
  Top w0.15: v1(105.34,17.38) 105.33,17.39 U109.25 ; v1(78.97,17.38) 79,17.41 U110.25 78.53,19.19 77.75,19.97 77.75,40.73 U111.135 ; U109.48 v1(119.94,17.38) ; U110.48 93.6,17.39 v1(93.61,17.38)
  Bottom w0.15: v1(78.97,17.38) 80.02,18.43 92.56,18.43 v1(93.61,17.38) v1(105.34,17.38) 106.56,17.38 107.5,18.32 119,18.32 v1(119.94,17.38)
_CPUBG: length 103.4
  Top w0.2: 60,39.53 60,39.1 59.59,38.7 U104.19 ; 60,39.53 60,49.3 ; 60,39.53 60,35.22 v1(56.69,31.91) ; 60,49.3 59.8,49.5 U103.19 ; 60,49.3 v1(60,50.9) 60,60.22 ; U113.1 39.44,15.35 v1(39.44,15.34) ; 60,60.22 59.73,60.49 58.45,60.49 ; 60,60.22 60,70.3 59.76,70.54 58.58,70.54 ; v1(34.27,13.9) 34.27,15.34 ; U111.102 72.41,54.45 v1(72.41,54.27)
  Bottom w0.2: v1(72.41,54.27) 68.14,54.27 64.77,50.9 v1(60,50.9) ; v1(34.27,13.9) 34.86,13.31 37.41,13.31 v1(39.44,15.34) 39.67,15.57 39.67,29.49 42.09,31.91 v1(56.69,31.91)
